# Allegro board FH8852v310_FH8856V310_APP_BOARD_V1.brd (continued)
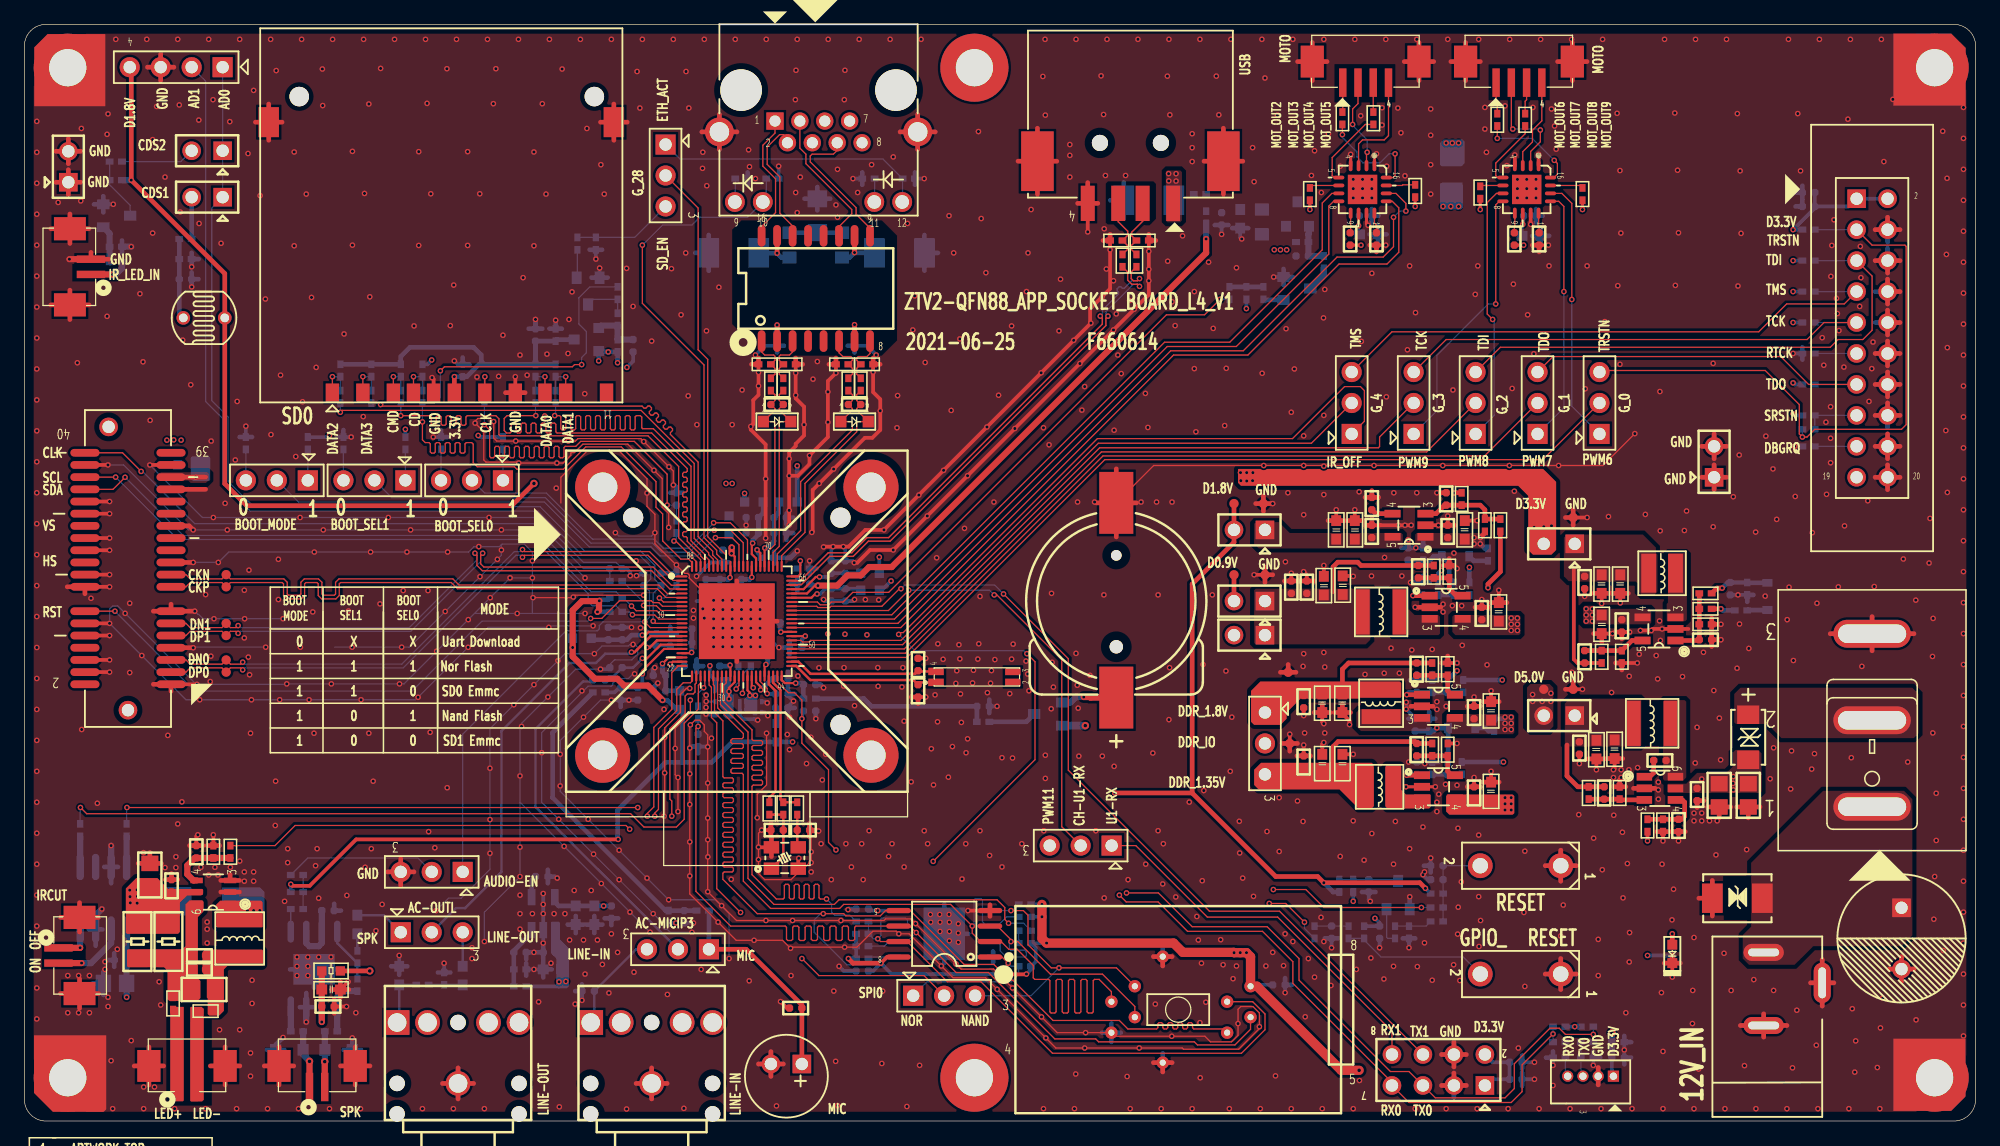
[diagram p0: board, top side]
## Text on the board (continued)
DISPLAY_TOP: FIGURE | SIZE | 10.0 | 12.0 | 20.0 | 24.0 | 28.0 | 36.0 | 40.0 | 44.0 | 50.0 | 60.0 | 63.0 | 95.0 | 120.0 | 52.0 | 53.0 | 62.99 | 65.0 | 134.0 | 100.0x25.0 | 220.0x60.0 | DRILL CHART: TOP to BOTTOM | ALL UNITS ARE IN MILS | PLATED | NON-PLATED | QTY | 1656 | 7 | 10 | 4 | 2 | 8 | 49 | 52 | 6 | 1 | 3
